# Altium PCB PCB2IDE.PcbDoc
Units mil, origin at the board's own origin, x right, y up, seen from the top; angles counter-clockwise.
Board outline 3125 x 3315 mil, 2 copper layers (Top Layer, Bottom Layer); 12 components, 41 nets, 115 pads, 26 vias.
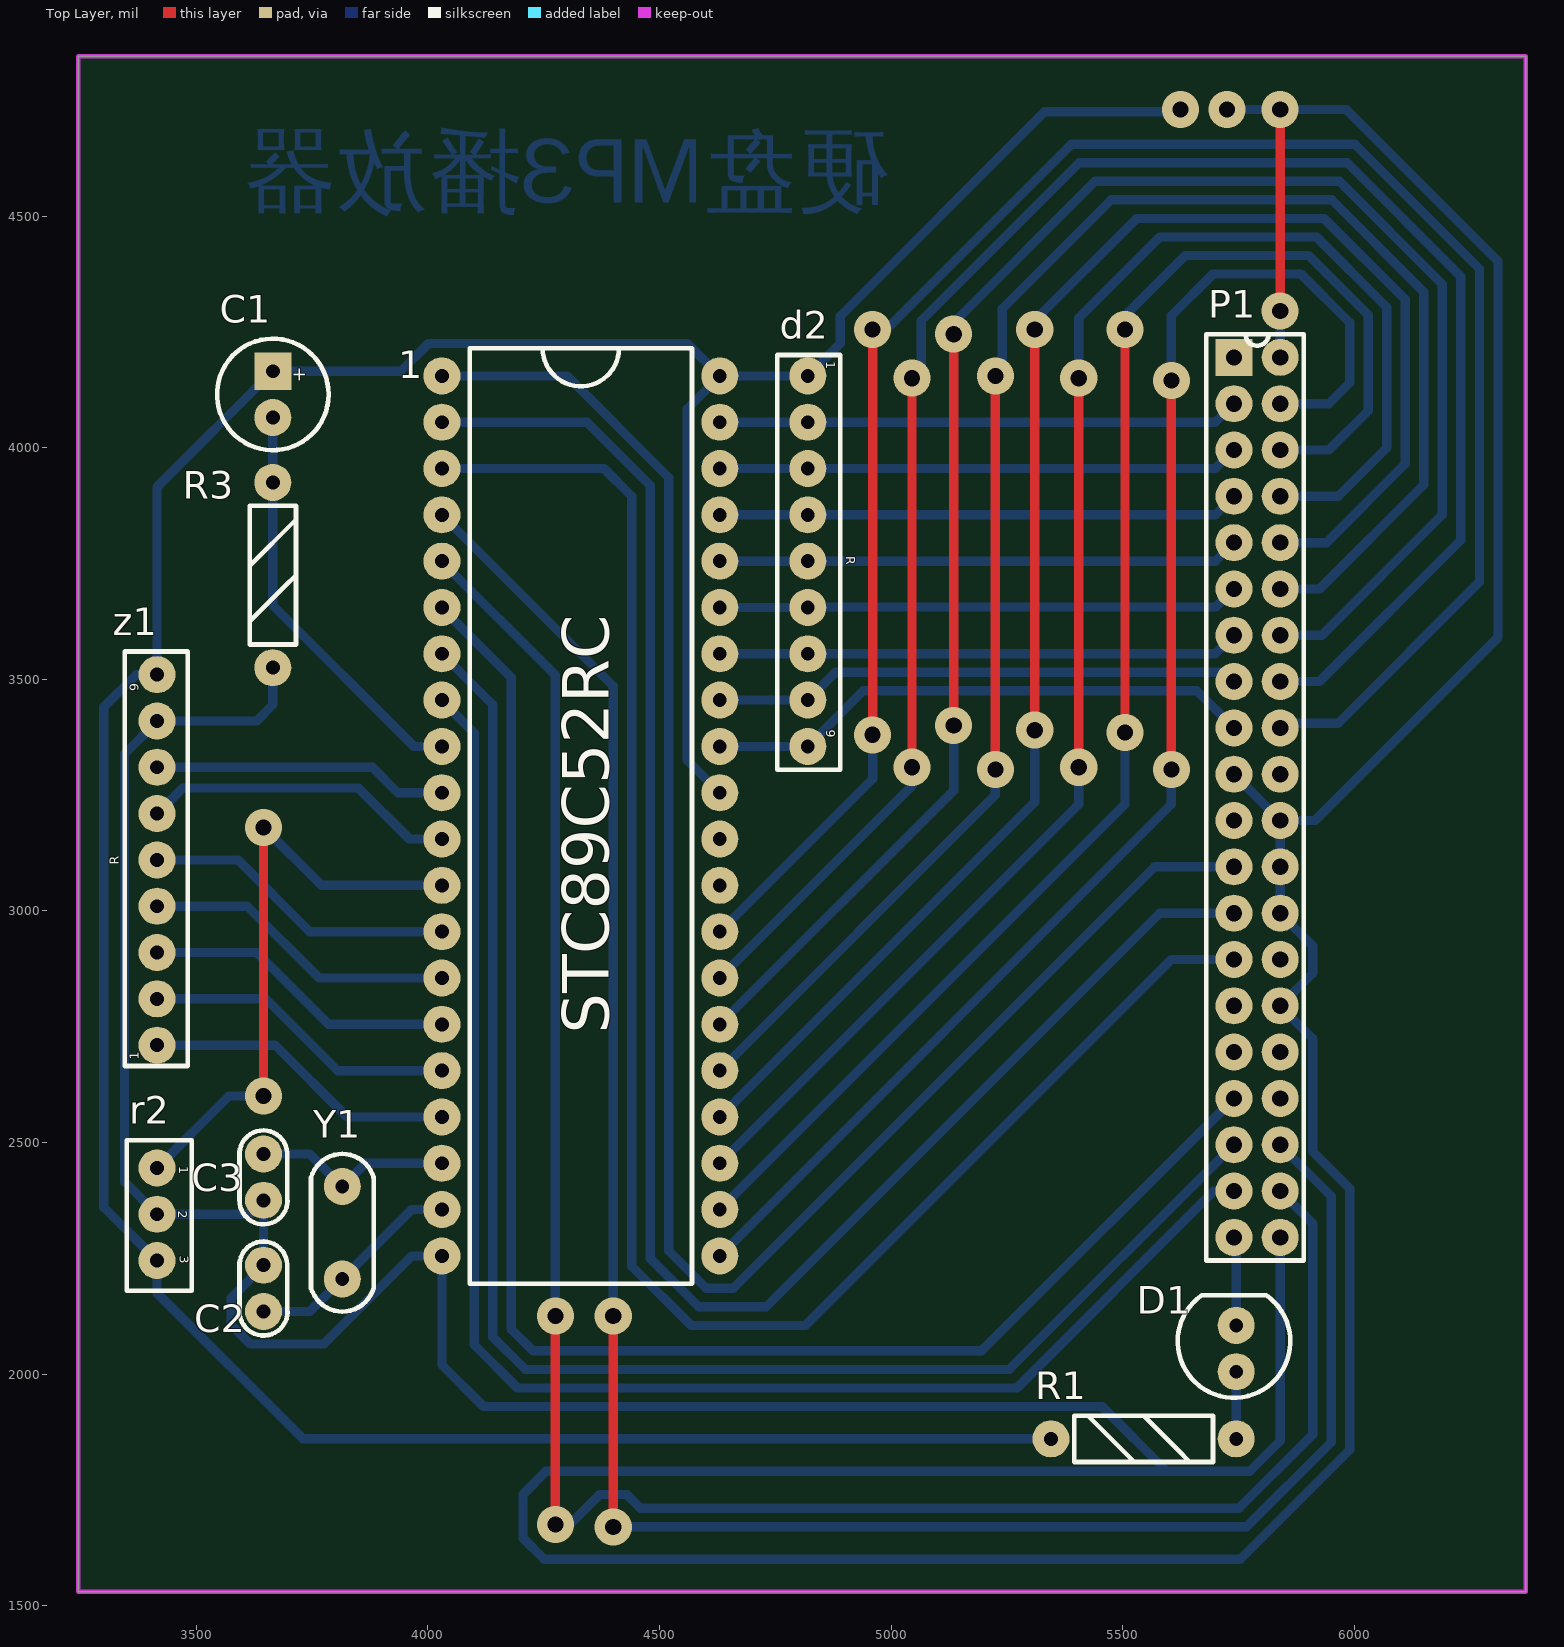
[diagram p0: Top Layer view]
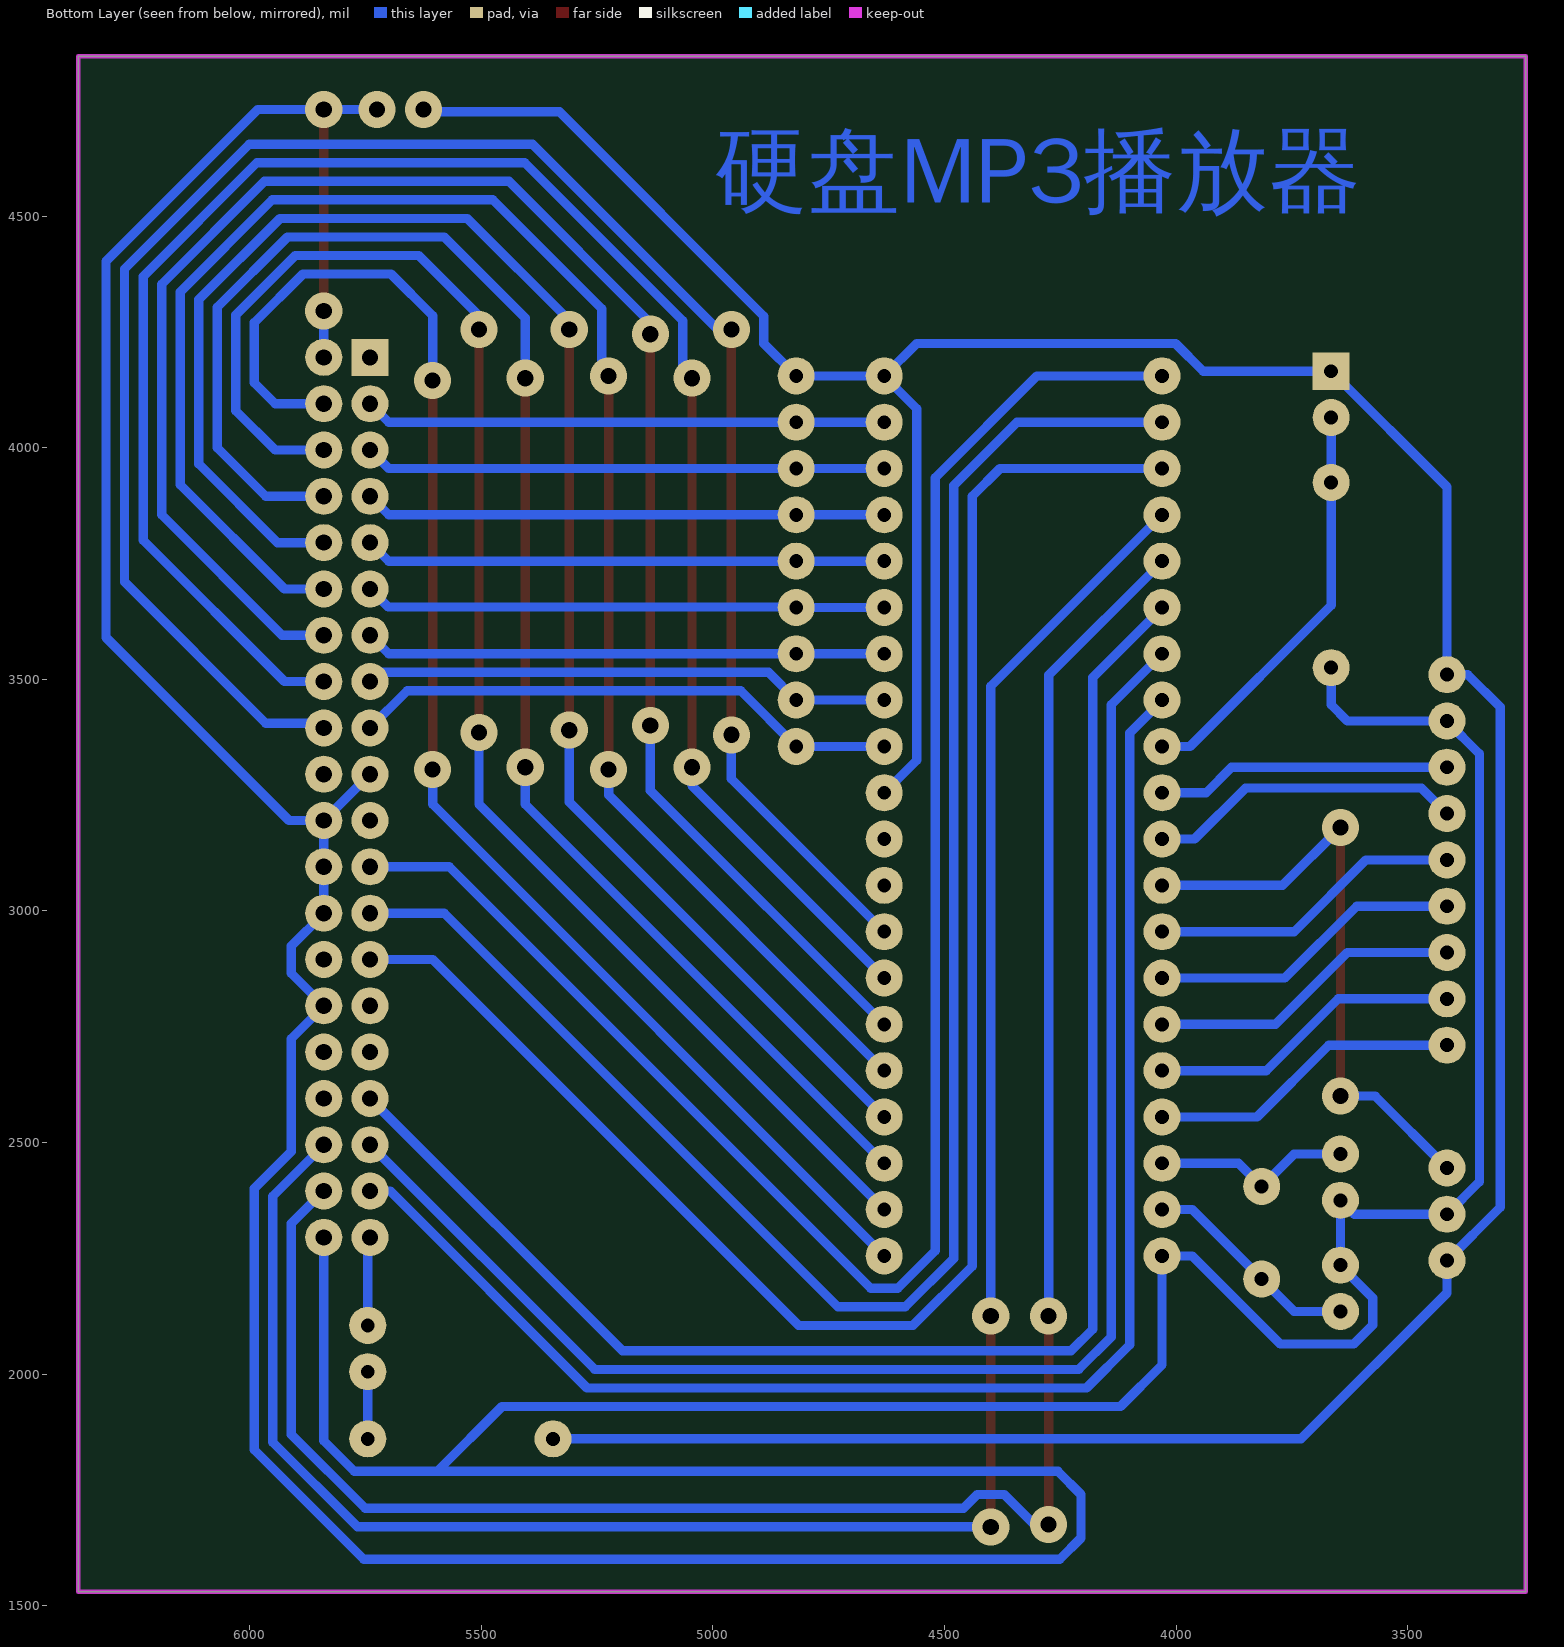
[diagram p1: Bottom Layer view, seen from below]

## Layer stack, top to bottom
Top Layer: signal copper 1.4
Dielectric: dielectric 12.6, FR-4, Dk 4.8
Bottom Layer: signal copper 1.4

## Board outline
3250,4845 6370,4845 6370,1530 3245,1530 3245,4845

## Design rules (kind name [scope] priority, off if disabled: settings)
Clearance [All] p1: gap=20
PolygonConnect [All] p1: connectstyle=Relief reliefconductorwidth=10 reliefentries=4 polygonreliefangle="90 Angle"
RoutingVias [All] p1: holewidth=35 width=80 viastyle="Through Hole" minholewidth=35 minwidth=80 maxholewidth=35 maxwidth=80
SilkscreenOverComponentPads [All] p1: minsilkscreentomaskgap=10
SolderMaskExpansion [All] p1: expansion=4
Width [All] p1: maxlimit=20 minlimit=20 preferedwidth=20
27 further rules are at their usual default settings.

## Components (designator, comment, footprint, x,y, rotation, side; value= is the part's Value field where it differs from the comment)
1 "51单片机" 51单片机 4030,4155 r0 top
C1 "Cap Pol1" 电解电容 3665,4165 r270 top
C2 "Cap" 无极电容 3645,2235 r270 top
C3 "Cap" 无极电容 3645,2475 r270 top
D1 "LED0" LED 5745,2005 r90 top
d2 "排阻" 排阻 4820,4155 r270 top
P1 "IDE接口" IDE接口封装40PIN 5740,4195 r0 top
R1 "Res2" 电阻 5345,1860 r0 top
r2 "红外接收头" IR红外接收头 3415,2445 r270 top
R3 "Res2" 电阻 3665,3925 r270 top
Y1 "XTAL" 晶振 3815,2405 r270 top
z1 "排阻" 排阻 3415,2710 r90 top

## Footprints (in the part's own frame and the unit in brackets; to place one, negate y for a bottom-side part, rotate by r counter-clockwise, add the part's x,y. Pads: shape width x height; smd on the part's side, far side on the other; paste and mask are expansions set on the pad)
51单片机 [mil]
  round 80 hole 30: 1(0,0) 2(0,-100) 3(0,-200) 4(0,-300) 5(0,-400) 6(0,-500) 7(0,-600) 8(0,-700) 9(0,-800) 10(0,-900) 11(0,-1000) 12(0,-1100) 13(0,-1200) 14(0,-1300) 15(0,-1400) 16(0,-1500) 17(0,-1600) 18(0,-1700) 19(0,-1800) 20(0,-1900) 21(600,-1900) 22(600,-1800) 23(600,-1700) 24(600,-1600) 25(600,-1500) 26(600,-1400) 27(600,-1300) 28(600,-1200) 29(600,-1100) 30(600,-1000) 31(600,-900) 32(600,-800) 33(600,-700) 34(600,-600) 35(600,-500) 36(600,-400) 37(600,-300) 38(600,-200) 39(600,-100) 40(600,0)
  silkscreen extent 60,-1960 540,60
IDE接口封装40PIN [mil]
  rect 80x80 hole 35: 1(0,0)
  round 80 hole 35: 2(100,0) 3(0,-100) 4(100,-100) 5(0,-200) 6(100,-200) 7(0,-300) 8(100,-300) 9(0,-400) 10(100,-400) 11(0,-500) 12(100,-500) 13(0,-600) 14(100,-600) 15(0,-700) 16(100,-700) 17(0,-800) 18(100,-800) 19(0,-900) 20(100,-900) 21(0,-1000) 22(100,-1000) 23(0,-1100) 24(100,-1100) 25(0,-1200) 26(100,-1200) 27(0,-1300) 28(100,-1300) 29(0,-1400) 30(100,-1400) 31(0,-1500) 32(100,-1500) 33(0,-1600) 34(100,-1600) 35(0,-1700) 36(100,-1700) 37(0,-1800) 38(100,-1800) 39(0,-1900) 40(100,-1900)
  silkscreen extent -60,-1950 151,50
IR红外接收头 [mil]
  round 80 hole 30: 1(0,0) 2(100,0) 3(200,0)
  silkscreen extent -60,-65 265,75
LED [mil]
  round 80 hole 30: 1(0,0) 2(100,0)
  silkscreen extent -56,-117 165,126
排阻 [mil]
  round 80 hole 30: 1(0,0) 2(100,0) 3(200,0) 4(300,0) 5(400,0) 6(500,0) 7(600,0) 8(700,0) 9(800,0)
  silkscreen extent -45,-66 850,70
无极电容 [mil]
  round 80 hole 30: 1(0,0) 2(100,0)
  silkscreen extent -51,-52 152,52
晶振 [mil]
  round 80 hole 30: 1(0,0) 2(200,0)
  silkscreen extent -70,-68 270,68
电解电容 [mil]
  rect 80x80 hole 30: 1(0,0)
  round 80 hole 30: 2(100,0)
  silkscreen extent -70,-120 170,120
电阻 [mil]
  round 80 hole 30: 1(0,0) 2(400,0)
  silkscreen extent 50,-50 350,50

## Part data
D1: "Typical INFRARED Ga"

## Via types
v1: diameter 80, hole 35, Top Layer to Bottom Layer, 26 vias

## Nets (pads, with @x,y where several pads share a name; then routed paths per layer and width w, separated by ;. In a path a pad name is that pad's centre, name@x,y a point inside that pad or via, vN(x,y) a via of type N, cw(c..) or ccw(c..) an arc to the next point about the centre after c; other vN are vias at no path point)
CS0: 1.8 P1.37 | length 3275.3
  Bottom Layer w20: 1.8 4030,3453.99 4100,3383.99 4100,2063.43 4193.43,1970 5271.57,1970 5696.57,2395 P1.37
CS1: 1.5 P1.38 | length 4476.4
  Top Layer w20: v1(4275,1675) v1(4275,2125)
  Bottom Layer w20: 1.5 4030,3753.99 4275,3508.99 v1(4275,2125) ; v1(4275,1675) 4306.01,1675 4371.01,1740 4428.99,1740 4458.99,1710 5750.56,1710 5910,1869.44 5910,2325 P1.38
CSEL: P1.28
D0: 1.32 d2.9 P1.17 | length 1192.8
  Bottom Layer w20: 1.32 d2.9 4940,3475 5660,3475 P1.17
D1: 1.33 d2.8 P1.15 | length 1144.6
  Bottom Layer w20: 1.33 d2.8 4880,3515 5716.57,3515 5718.28,3516.72 P1.15
D2: 1.34 d2.7 P1.13 | length 1126.6
  Bottom Layer w20: 1.34 d2.7 5700,3555 P1.13
D3: 1.35 d2.6 P1.11 | length 1127.2
  Bottom Layer w20: 1.35 d2.6 4820,3656.01 5701.01,3656.01 P1.11
D4: 1.36 d2.5 P1.9 | length 1126.6
  Bottom Layer w20: 1.36 d2.5 5700,3755 P1.9
D5: 1.37 d2.4 P1.7 | length 1126.6
  Bottom Layer w20: 1.37 d2.4 5700,3855 P1.7
D6: 1.38 d2.3 P1.5 | length 1126.6
  Bottom Layer w20: 1.38 d2.3 5700,3955 P1.5
D7: 1.39 d2.2 P1.3 | length 1126.6
  Bottom Layer w20: 1.39 d2.2 5700,4055 P1.3
D8: 1.21 P1.4 | length 3198.3
  Top Layer w20: v1(5605,3305) v1(5605,4145)
  Bottom Layer w20: 1.21 5605,3230 v1(5605,3305) ; v1(5605,4145) 5605,4285 5695,4375 5885,4375 5990,4270 5990,4140 5945,4095 P1.4
D9: 1.22 P1.6 | length 3356.3
  Top Layer w20: v1(5505,3385) v1(5505,4255)
  Bottom Layer w20: 1.22 5505,3230 v1(5505,3385) ; v1(5505,4255) 5505,4285 5635,4415 5901.57,4415 6030,4286.57 6030,4080 5945,3995 P1.6
D10: 1.23 P1.8 | length 3523
  Top Layer w20: v1(5405,3310) v1(5405,4150)
  Bottom Layer w20: 1.23 5405,3230 v1(5405,3310) ; v1(5405,4150) 5405,4280 5580,4455 5918.14,4455 6070,4303.14 6070,4000 5965,3895 P1.8
D11: 1.24 P1.10 | length 3655.5
  Top Layer w20: v1(5310,3390) v1(5310,4255)
  Bottom Layer w20: 1.24 5310,3235 v1@5310,3385 ; v1(5310,4255) 5310,4275 5530,4495 5934.71,4495 6110,4319.71 6110,3965 5940,3795 P1.10
D12: 1.25 P1.12 | length 3806.8
  Top Layer w20: v1(5225,3305) v1(5225,4155)
  Bottom Layer w20: 1.25 5225,3250 v1(5225,3305) ; v1(5225,4155) 5240,4170 5240,4300 5475,4535 5951.27,4535 6150,4336.27 6150,3920 5925,3695 P1.12
D13: 1.26 P1.14 | length 3953.1
  Top Layer w20: v1(5135,3400) v1(5135,4245)
  Bottom Layer w20: 1.26 5135,3260 v1(5135,3400) ; v1(5135,4245) 5135,4270 5440,4575 5967.84,4575 6190,4352.84 6190,3855 5930,3595 P1.14
D14: 1.27 P1.16 | length 4092.9
  Top Layer w20: v1(5045,3310) v1(5045,4150)
  Bottom Layer w20: 1.27 5045,3270 v1(5045,3310) ; v1(5045,4150) 5065,4170 5065,4273.99 5406.01,4615 5984.41,4615 6230,4369.41 6230,3800 5925,3495 P1.16
D15: 1.28 P1.18 | length 4260.3
  Top Layer w20: v1(4960,3380) v1(4960,4255)
  Bottom Layer w20: 1.28 4960,3285 v1(4960,3380) ; v1(4960,4255) 4989.44,4255 5389.44,4655 6000.98,4655 6270,4385.98 6270,3710 5965,3405 5850,3405 P1.18
DA0: 1.7 P1.35 | length 3350.5
  Bottom Layer w20: 1.7 4140,3445 4140,2080 4210,2010 5255,2010 P1.35
DA1: 1.6 P1.33 | length 3425.6
  Bottom Layer w20: 1.6 4030,3653.99 4180,3503.99 4180,2096.57 4226.57,2050 5195,2050 P1.33
DA2: 1.4 P1.36 | length 4651.7
  Top Layer w20: v1(4400,1670) v1(4400,2125)
  Bottom Layer w20: 1.4 4400,3485 v1(4400,2125) ; v1(4400,1670) 5767.13,1670 5950,1852.87 5950,2383.99 5840,2493.99 P1.36
DIOR: 1.2 P1.25 | length 3830.9
  Bottom Layer w20: 1.2 4343.43,4055 4480,3918.43 4480,2249.44 4584.44,2145 4730,2145 5580,2995 P1.25
DIOW: 1.1 P1.23 | length 3880.6
  Bottom Layer w20: 1.1 4300,4155 4520,3935 4520,2266.01 4601.01,2185 4658.99,2185 5568.99,3095 P1.23
GND: 1.20 C2.1 C3.2 P1.2 P1.19 P1.22 P1.24 P1.26 P1.30 P1.40 r2.2 R3.2 z1.8 | length 12894.9
  Top Layer w20: v1(5840,4295) v1(5840,4730)
  Bottom Layer w20: r2.2@3415,2346.01 r2.2 ; R3.2 3665,3445 3630,3410 z1.8 3415,3408.99 3345,3338.99 3345,2415 r2.2 ; 5595,1790 5455,1930 4120,1930 4030,2020 1.20 3965,2255 3775,2065 3616.01,2065 3575,2106.01 3575,2163.99 3645,2233.99 C2.1 C3.2 3615,2345 r2.2 ; v1(5725,4730) v1(5840,4730) 5982.55,4730 6310,4402.55 6310,3590 5915,3195 P1.22 ; P1.19 P1.22 ; P1.40 5840,1856.01 5773.99,1790 4255,1790 4205,1740 4205,1646.01 4251.01,1600 5753.7,1600 5990,1836.3 5990,2400.56 5910,2480.56 5910,2723.99 5840,2793.99 P1.30 5910,2865 5910,2923.99 5840,2993.99 P1.26 P1.24 P1.22 ; P1.2 v1(5840,4295)
IORDY: 1.3 P1.27 | length 3777.2
  Bottom Layer w20: 1.3 4380,3955 4440,3895 4440,2232.87 4567.87,2105 4815,2105 5605,2895 P1.27
NetD1_1: D1.1 R1.2 | length 145
  Bottom Layer w20: R1.2 D1.1
NetD1_2: D1.2 P1.39 | length 192.1
  Bottom Layer w20: P1.39 5745,2290 D1.2
P3.0: 1.10 z1.7 | length 637.8
  Bottom Layer w20: z1.7 3880,3310 3935,3255 1.10
P3.1: 1.11 z1.6 | length 683.3
  Bottom Layer w20: z1.6 3470,3265 3850,3265 3960,3155 1.11
P3.2: 1.12 r2.1 | length 1311
  Top Layer w20: v1(3645,2600) v1(3645,3180)
  Bottom Layer w20: r2.1 3570,2600 v1(3645,2600) ; v1(3645,3180) 3770,3055 1.12
P3.3: 1.13 z1.5 | length 679.2
  Bottom Layer w20: z1.5 3590,3110 3745,2955 1.13
P3.4: 1.14 z1.4 | length 679.2
  Bottom Layer w20: z1.4 3610,3010 3765,2855 1.14
P3.5: 1.15 z1.3 | length 679.2
  Bottom Layer w20: z1.3 3630,2910 3785,2755 1.15
P3.6: 1.16 z1.2 | length 679.2
  Bottom Layer w20: z1.2 3650,2810 3805,2655 1.16
P3.7: 1.17 z1.1 | length 679.2
  Bottom Layer w20: z1.1 3670,2710 3825,2555 1.17
RESET: P1.1
RST: 1.9 C1.2 R3.1 | length 896.3
  Bottom Layer w20: C1.2 R3.1 3665,3660 3970,3355 1.9
VCC: 1.31 1.40 C1.1 d2.1 R1.1 r2.3 z1.9 | length 7518.2
  Bottom Layer w20: 1.31 4560,3325 4560,4083.99 4630,4153.99 1.40 ; R1.1 3730,1860 3415,2175 r2.3 3300,2360 3300,3440 3370,3510 z1.9 3415,3915 C1.1 3941.01,4165 4001.01,4225 4560,4225 1.40 ; v1@5625,4725 5331.01,4725 4890,4283.99 4890,4225 d2.1 1.40
  other v1: 5625,4730
X1: 1.19 C2.2 Y1.2 | length 476.1
  Bottom Layer w20: C2.2 3745,2135 Y1.2 3965,2355 1.19
X2: 1.18 C3.1 Y1.1 | length 434.7
  Bottom Layer w20: C3.1 3745,2475 Y1.1 3865,2455 1.18
pads on no net: 1.29 1.30 P1.20 P1.21 P1.29 P1.31 P1.32 P1.34

## Keep-outs
Keep-Out Layer:
  the board outline again, w10

## Other copper
Bottom Layer:
  text "硬盘MP3播放器" at 4995,4480 h250

## Text inside footprints (layer, text, board x,y; h text height)
1: Top Overlay "STC89C52RC" at 4390,2735 h100 r90
C1: Top Overlay "+" at 3710,4175 h30 r270
d2: Top Overlay "9" at 4860,3391 h20 r270; Top Overlay "1" at 4860,4187 h20 r270; Top Overlay "R" at 4903,3766 h20 r270
r2: Top Overlay "1" at 3463,2449 h20 r270; Top Overlay "3" at 3464,2255 h20 r270; Top Overlay "2" at 3461,2352 h20 r270
z1: Top Overlay "9" at 3375,3474 h20 r90; Top Overlay "1" at 3375,2678 h20 r90; Top Overlay "R" at 3332,3099 h20 r90